# Altium PCB FanSystem-v2.0.PcbDoc (part 1 of 2)
Units mil, origin at the board's own origin, x right, y up, seen from the top; angles counter-clockwise.
Board outline 2755.91 x 2755.91 mil, 2 copper layers (Top Layer, Bottom Layer); 91 components, 71 nets, 311 pads, 124 vias.
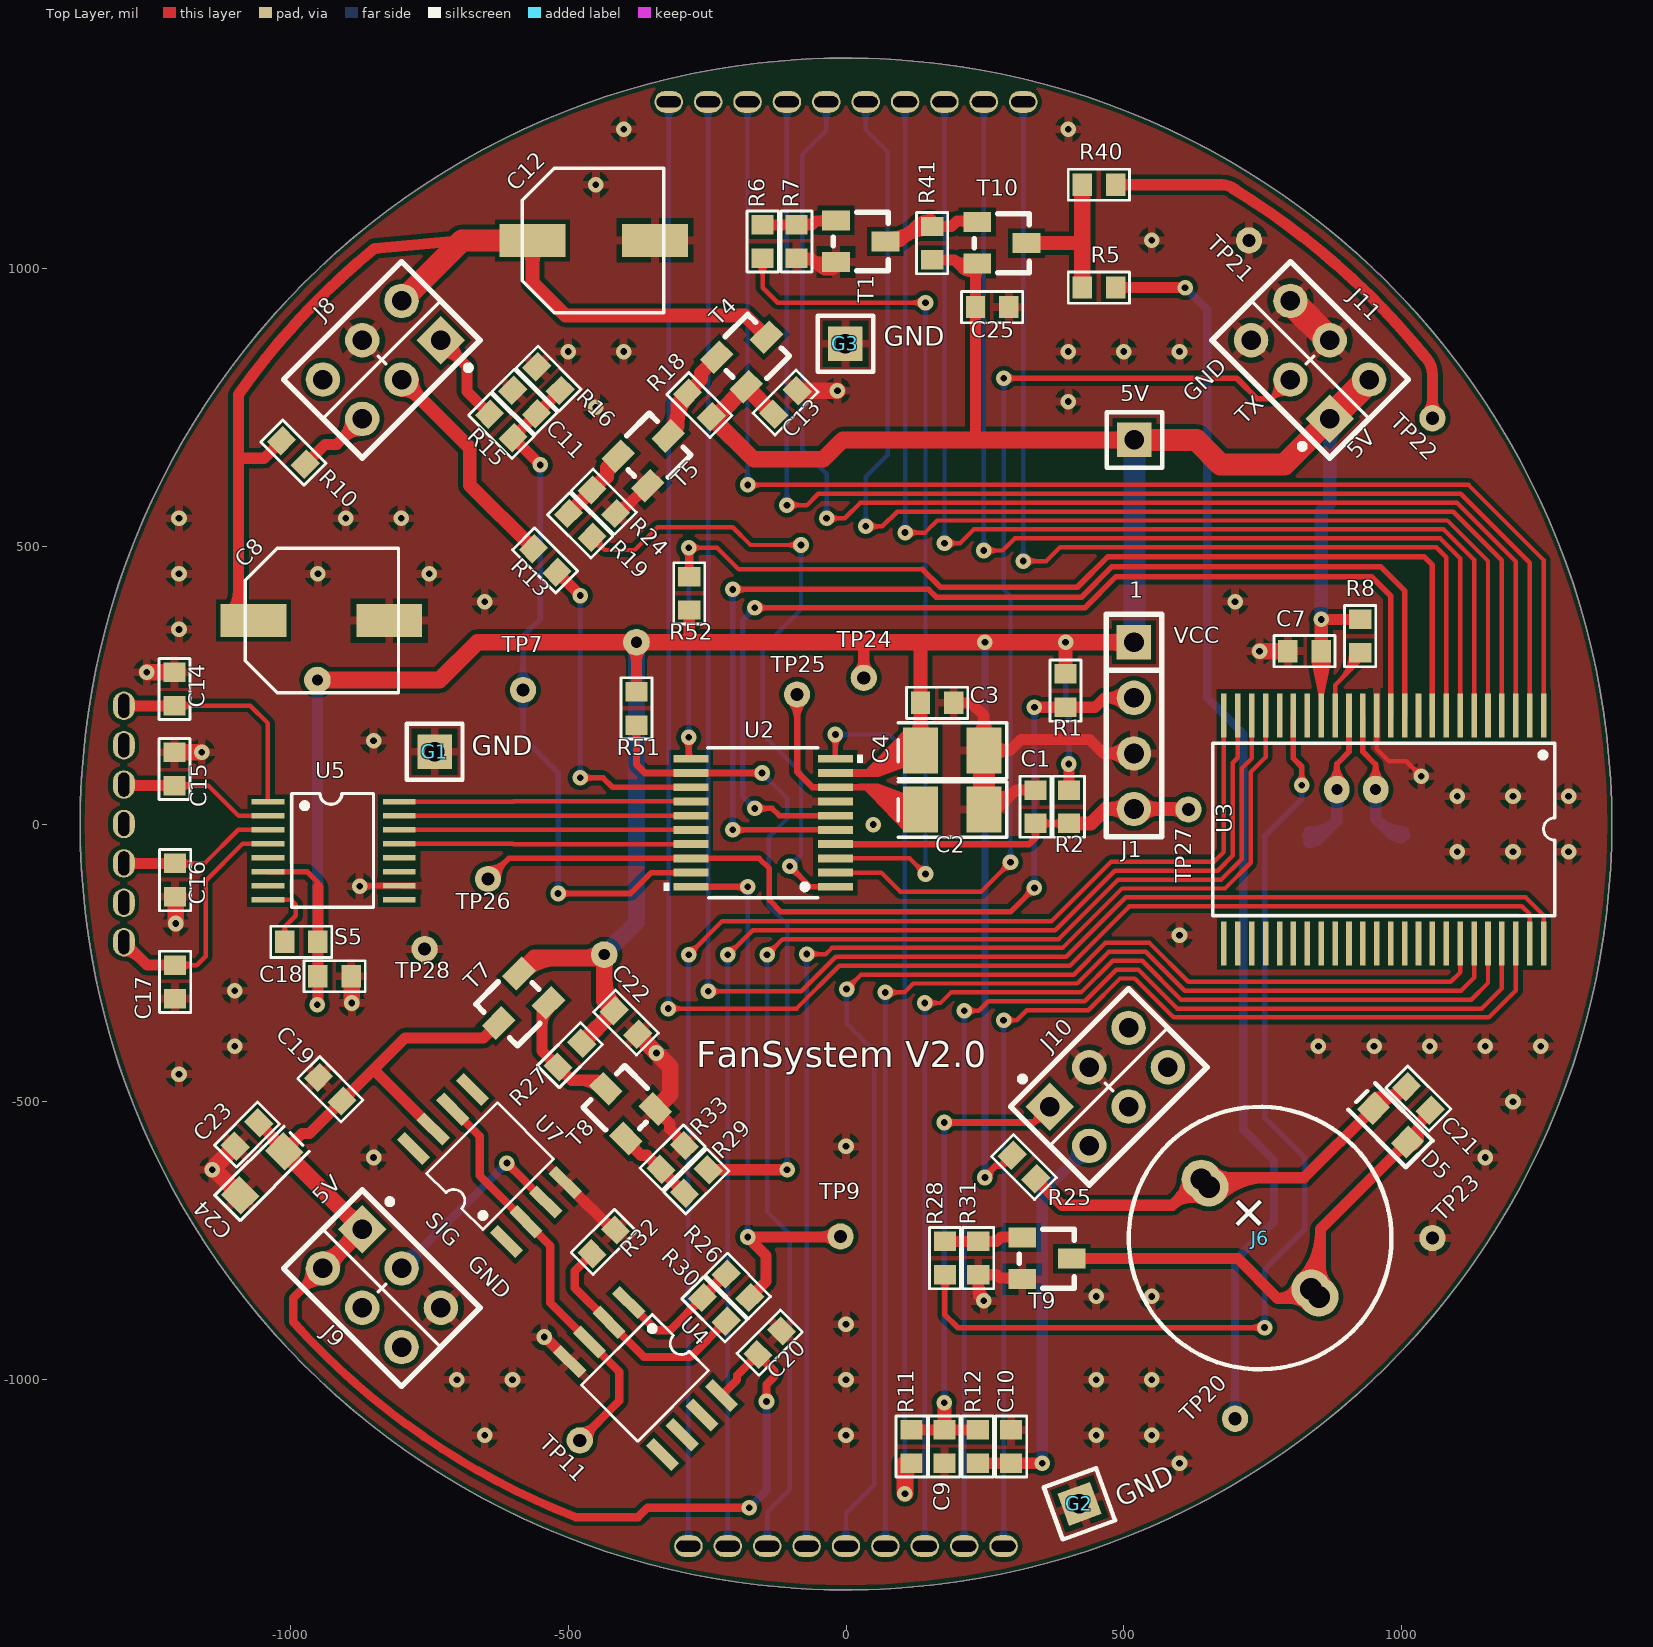
[diagram p0: Top Layer view]
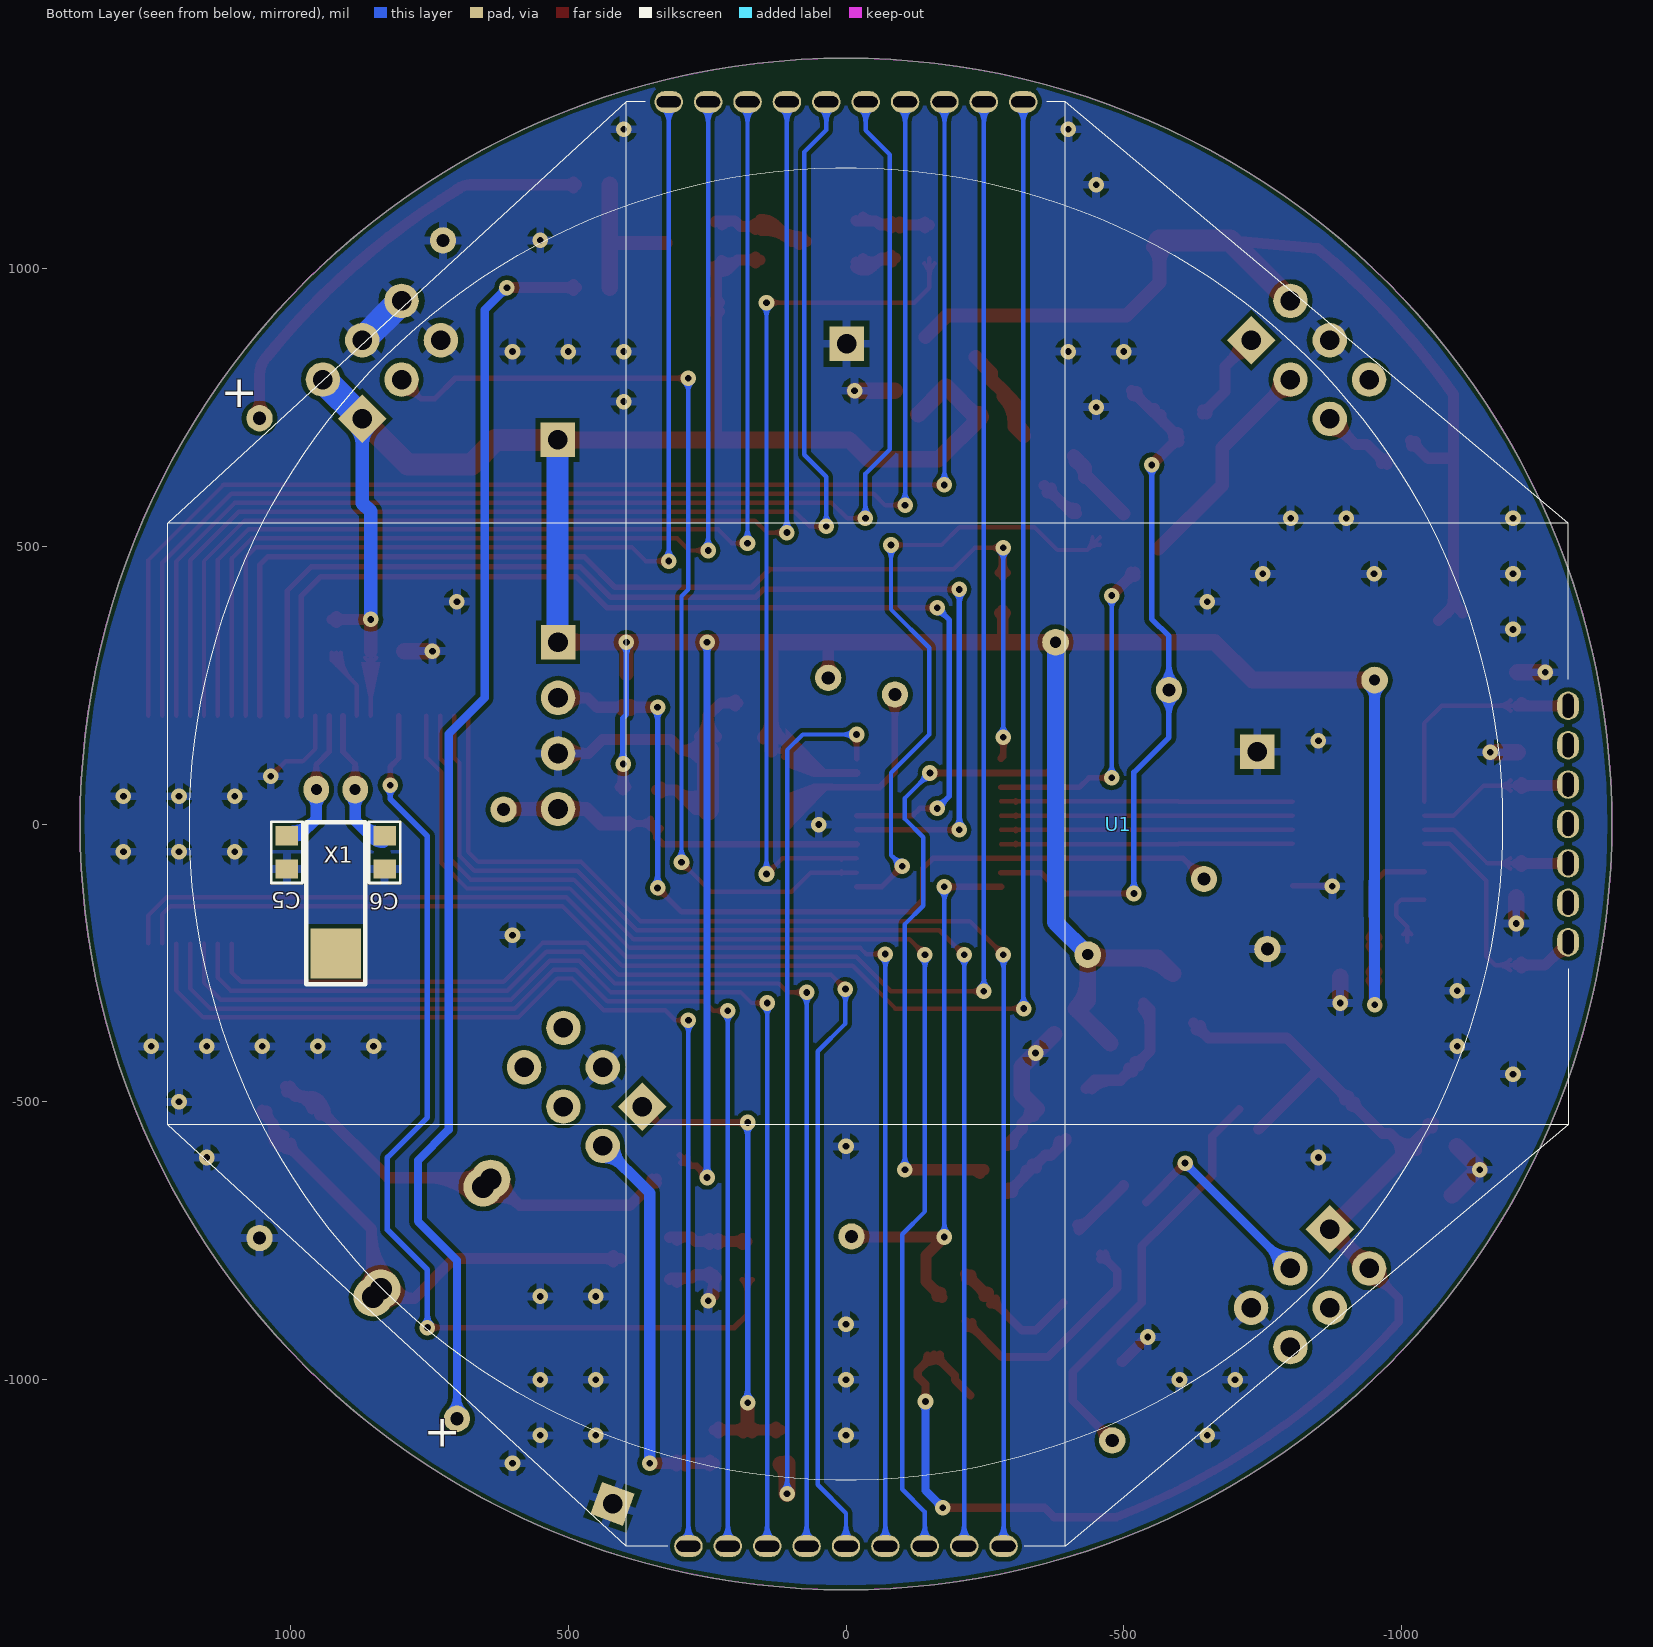
[diagram p1: Bottom Layer view, seen from below]

## Layer stack, top to bottom
Top Layer: signal copper 1.4
Dielectric: dielectric 12.6, FR-4, Dk 4.8
Bottom Layer: signal copper 1.4

## Board outline
-1377.95,0 ccw(c0,0) 0,-1377.95 ccw(c0,0) 1377.95,0 ccw(c0,0) 0,1377.95 ccw(c0,0)

## Design rules (kind name [scope] priority, off if disabled: settings)
Clearance [All] p1: gap=8
ComponentClearance [All] p1: gap=-1 collisioncheckmode=3 verticalgap=-1 showdistances=FALSE
PlaneConnect [All] p1: planeconnectstyle=Relief reliefexpansion=20 reliefentries=4 reliefconductorwidth=15 reliefairgap=10
PolygonConnect [All] p1: connectstyle=Relief reliefconductorwidth=15 reliefentries=4 polygonreliefangle="90 Angle" airgapwidth=10
RoutingVias [All] p1: holewidth=28 width=50 viastyle="Through Hole" minholewidth=28 minwidth=50 maxholewidth=28 maxwidth=50
SolderMaskExpansion [All] p1: expansion=4
Width [All] p1: maxlimit=100 minlimit=6 preferedwidth=8 minimp=50.000000 maximp=50.000000 favimp=50.000000
26 further rules are at their usual default settings.

## Classes and differential pairs
component class peripheral_1: C8 C9 C10 C11 C12 C13 C14 C15 C16 C17 C18 C19 C20 C21 C22 C23 C24 C25 D5 J6 J8 J9 J10 J11 R5 R6 R7 R10 R11 R12 R13 R15 R16 R18 R19 R24 R25 R26 R27 R28 R29 R30 R31 R32 R33 R40 R41 S5 T1 T4 T5 T7 T8 T9 T10 TP7 TP9 TP11 TP20 TP21 TP22 TP23 U4 U5 U7
component class cpu: 5V C1 C2 C3 C4 C5 C6 C7 G1 G2 G3 J1 R1 R2 R8 R51 R52 TP24 TP25 TP26 TP27 TP28 U1 U2 U3 X1

## Components (designator, comment, footprint, x,y, rotation, side; value= is the part's Value field where it differs from the comment)
5V "TP" CON1 519,691 r0 top
C1 "10nF" 0603 341,1 r90 top
C2 "2.2uF" 1206+ 134,26 r0 top
C3 "0.1uF" 0603 134,218 r0 top
C4 "2.2uF" 1206+ 134,132 r0 top
C5 "5pF" 0603 1006,-21 r270 bottom
C6 "5pF" 0603 830,-21 r270 bottom
C7 "0.1uF" 0603 855,311 r180 top
C8 "220uF" C+_6.3-7 -873,366 r90 top
C9 "1uF" 0603 177,-1090 r270 top
C10 "1uF" 0603 297,-1150 r90 top
C11 "1uF" 0603 -557,738 r135 top
C12 "10UF" C+_6.3-5.5 -375,1050 r90 top
C13 "1uF" 0603 -130,737 r45 top
C14 "30pF" 0603 -1208,213 r90 top
C15 "30pF" 0603 -1208,69 r90 top
C16 "30pF" 0603 -1207,-71 r270 top
C17 "30pF" 0603 -1207,-254 r270 top
C18 "104" 0603 -950,-274 r0 top
C19 "104" 0603 -949,-456 r315 top
C20 "104" 0603 -116,-912 r225 top
C21 "104" 0603 1051,-515 r135 top
C22 "1uF" 0603 -417,-336 r315 top
C23 "104" 0603 -1099,-580 r45 top
C24 "C +" C+ -1011,-589 r225 top
C25 "1uF" 0603 233,930 r0 top
D5 "D" D0805 1010.02,-572.3 r135 top
G1 "TP" CON1 -740,130 r90 top
G2 "TP" CON1 420,-1223 r20 top locked
G3 "TP" CON1 -1,864 r0 top
J1 "CON4" CON4_L 518,327 r270 top
J6 "BEEPER" BEEP-D12 745,-745 r315 top locked
J8 "CON3*2" CON3*2 -835,835 r225 top locked
J9 "CON3*2" CON3*2 -835,-835 r315 top locked
J10 "CON3*2" CON3*2 473,-473 r45 top locked
J11 "CON3*2" CON3*2 835,835 r135 top locked
R1 "10k" 0603 395,270 r270 top
R2 "10K" 0603 401,61 r270 top
R5 "200" 0603 425,965 r0 top
R6 "4.7K" 0603 -150,1078 r270 top
R7 "10K" 0603 -89,1078 r270 top
R8 "10K" 0603 925,308 r90 top
R10 "150" 0603 -973,647 r135 top
R11 "100R" 0603 118,-1090 r270 top
R12 "100R" 0603 237,-1150 r90 top
R13 "100" 0603 -520,453 r135 top
R15 "100K" 0603 -599,695 r135 top
R16 "100K" 0603 -514,780 r135 top
R18 "10K" 0603 -285,775 r315 top
R19 "4.7K" 0603 -457,516 r135 top
R24 "10K" 0603 -457,601 r315 top
R25 "0K" 0603 299,-596 r315 top
R26 "100R" 0603 -173,-852 r135 top
R27 "10K" 0603 -518,-437 r45 top
R28 "4.7K" 0603 178,-751 r270 top
R29 "4.7K" 0603 -248,-622 r225 top
R30 "470K" 0603 -258,-852 r315 top
R31 "10K" 0603 238,-751 r270 top
R32 "47K" 0603 -457,-773 r45 top
R33 "10K" 0603 -333,-621 r45 top
R40 "200" 0603 425,1150 r0 top
R41 "10K" 0603 155,1075 r270 top
R51 "10k" 0603 -377,238 r270 top
R52 "10k" 0603 -282,385 r90 top
S5 "S" 0603 -1010,-212 r0 top
T1 "9013" 9013 71,1048 r270 top
T4 "AO3401" AO3401 -143,876 r315 top
T5 "9013" 9013 -320,698 r315 top
T7 "AO3401" AO3401 -625,-358 r135 top
T8 "9013" 9013 -432,-476 r45 top
T9 "9013" 9013 406,-782 r270 top
T10 "AO3401" AO3401 325,1045 r270 top
TP7 "TP" tp -581,241 r0 top
TP9 "TP" tp -10,-742 r180 top
TP11 "TP" tp -479,-1109 r135 top
TP20 "TP" tp 700,-1070 r90 top
TP21 "TP" tp 725,1050 r90 top
TP22 "TP" tp 1055,730 r90 top
TP23 "TP" tp 1055,-745 r90 top
TP24 "TP" tp 32,263 r90 top
TP25 "TP" tp -88,233 r90 top
TP26 "TP" tp -644,-99 r90 top
TP27 "TP" tp 616,26 r90 top
TP28 "TP" tp -758,-225 r90 top
U1 "LCD" LCD-DIP-26 0,0 r180 bottom locked
U2 "STM8S003F3" STM8S003F3 -19,-113 r180 top locked
U3 "HT1621B" HT1621B 1255,195 r180 top locked
U4 "LM358" LM358 -391,-861 r225 top locked
U5 "TTP224" TTP224 -1040,40 r270 top locked
U7 "CA3140" LF353 -611,-751 r45 top
X1 "32.728" XTAL-32768 918,-188 r270 bottom

## Footprints (in the part's own frame and the unit in brackets; to place one, negate y for a bottom-side part, rotate by r counter-clockwise, add the part's x,y. Pads: shape width x height; smd on the part's side, far side on the other; paste and mask are expansions set on the pad)
0603 [mil]
  rect 35x40 smd: 1(60,0) 2(0,0)
  silkscreen extent -25,-28 85,28
1206+ [mm]
  rect 1.6x2.1 smd: A(0,0) K(2.9,0)
  silkscreen extent -1.02,-1.27 3.94,1.27
9013 [mil]
  rect 36x50 smd: 1(-38,-89) 2(37,-89) 3(0,0)
  silkscreen extent -53,-94 53,5
AO3401 [mil]
  rect 36x50 smd: D(0,0) G(-38,-89) S(37,-89)
  silkscreen extent -53,-94 53,5
BEEP-D12 [mm]
  round 1.8 hole 1: 1(-3.8,0) 1(-3.3,0) 2(3.3,0) 2(3.8,0)
  silkscreen extent -6,-6 6,6
C+ [mm]
  rect 1.2x1.3 smd: A(0,0) K(2.845,0)
  silkscreen extent -0.81,-0.81 3.66,0.81
C+_6.3-5.5 [mm]
  rect 1.5x3 smd: A(0,4.8) K(0,-0.8)
  silkscreen extent -3.3,-1.2 3.3,5.27
C+_6.3-7 [mm]
  rect 1.5x3 smd: A(0,4.9) K(0,-1.3)
  silkscreen extent -3.3,-1.73 3.3,5.27
CON1 [mil]
  rect 62x62 hole 35: 1(0,0)
  silkscreen extent -50,-50 50,50
CON3*2 [mil]
  rect 62x62 hole 35: 1(-100,50)
  round 62 hole 35: 2(-100,-50) 3(0,50) 4(0,-50) 5(100,50) 6(100,-50)
  silkscreen extent -150,-100 150,125
CON4_L [mil]
  rect 62x62 hole 35.43: 1(0,0)
  round 62 hole 35.43: 2(100,0) 3(200,0) 4(300,0)
  silkscreen extent -50,-50 350,50
D0805 [mil]
  rect 40x45 smd: A(0,0) K(86,0)
  silkscreen extent -30,-34 116,34
HT1621B [mil]
  rect 10x78.74 smd: 1(0,0) 2(25,0) 3(50,0) 4(75,0) 5(100,0) 6(125,0) 7(150,0) 8(175,0) 9(200,0) 10(225,0) 11(250,0) 12(275,0) 13(300,0) 14(325,0) 15(350,0) 16(375,0) 17(400,0) 18(425,0) 19(450,0) 20(475,0) 21(500,0) 22(525,0) 23(550,0) 24(575,0) 25(575,410) 26(550,410) 27(525,410) 28(500,410) 29(475,410) 30(450,410) 31(425,410) 32(400,410) 33(375,410) 34(350,410) 35(325,410) 36(300,410) 37(275,410) 38(250,410) 39(225,410) 40(200,410) 41(175,410) 42(150,410) 43(125,410) 44(100,410) 45(75,410) 46(50,410) 47(25,410) 48(0,410)
  silkscreen extent -20,50 595,360
LCD-DIP-26 [mm]
  oval 1.3x1 hole 0.5 slot 1.1 at 0 deg: 1(-8.1,33) 2(-6.3,33) 3(-4.5,33) 4(-2.7,33) 5(-0.9,33) 6(0.9,33) 7(2.7,33) 8(4.5,33) 9(6.3,33) 10(8.1,33) 11(-7.2,-33) 12(-5.4,-33) 13(-3.6,-33) 14(-1.8,-33) 15(0,-33) 16(1.8,-33) 17(3.6,-33) 18(5.4,-33) 19(7.2,-33)
  oval 1x1.3 hole 0.5 slot 1.1 at 90 deg: 20(33,-5.4) 21(33,-3.6) 22(33,-1.8) 23(33,0) 24(33,1.8) 25(33,3.6) 26(33,5.4)
  silkscreen extent -31,-33 33.02,33
LF353 [mil]
  rect 20x65 smd: 1(0,0) 2(50,0) 3(100,0) 4(150,0) 5(150,236.22) 6(100,236.22) 7(50,236.22) 8(0,236.22)
  silkscreen extent -15,45 165,188
LM358 [mil]
  rect 20x65 smd: 1(0,0) 2(50,0) 3(100,0) 4(150,0) 5(150,236.22) 6(100,236.22) 7(50,236.22) 8(0,236.22)
  silkscreen extent -15,45 165,188
STM8S003F3 [mm]
  rect 1.6x0.356 smd: 1(0,0) 2(0,-0.65) 3(0,-1.3) 4(0,-1.95) 5(0,-2.6) 6(0,-3.25) 7(0,-3.9) 8(0,-4.55) 9(0,-5.2) 10(0,-5.85) 11(6.6,-5.85) 12(6.6,-5.2) 13(6.6,-4.55) 14(6.6,-3.9) 15(6.6,-3.25) 16(6.6,-2.6) 17(6.6,-1.95) 18(6.6,-1.3) 19(6.6,-0.65) 20(6.6,0)
  silkscreen extent -1.24,-6.35 7.85,0.5
tp [mm]
  round 1.2 hole 0.6: 1(0,0)
TTP224 [mm]
  rect 0.25x1.5 smd: 1(0,0) 2(0.64,0) 3(1.28,0) 4(1.92,0) 5(2.56,0) 6(3.2,0) 7(3.84,0) 8(4.48,0) 9(4.48,6) 10(3.84,6) 11(3.2,6) 12(2.56,6) 13(1.92,6) 14(1.28,6) 15(0.64,6) 16(0,6)
  silkscreen extent -0.38,1.09 4.83,4.83
XTAL-32768 [mil]
  oval 50x46 hole 19.68: 1(-250,-35) 2(-250,35)
  rect 90x90 smd: ""(45,0)
  silkscreen extent -191,-53 100,53

## Part data
C1 C3 C5 C6 C7 C13 C14 C15 C16 C17 C18 C22 C25: library part C, "0603"
C2 C4 C8 C12: library part "C +"
C9 C10 C11 C19 C20 C23: library part C', "0805"
C21: library part C', "0603"
R1 R2 R5 R7 R8 R40 R51 R52: library part R, "0603"
R6 R25 R26 R28 R30 R31 R32: library part R', "0603"
R10 R11 R12 R13 R15 R16 R18 R19 R24 R27 R29 R33 R41: library part R', "0805"
U1: library part LCD-3
U4: "Amps"
X1: library part XTAL

## Free pads (board coordinates)
  round 48 hole 20: 1(-951,259) 1(-435,-235) 1(-377,327)

## Via types
v1: diameter 28, hole 12, Top Layer to Bottom Layer, 124 vias

## Nets (pads, with @x,y where several pads share a name; then routed paths per layer and width w, separated by ;. In a path a pad name is that pad's centre, name@x,y a point inside that pad or via, vN(x,y) a via of type N, cw(c..) or ccw(c..) an arc to the next point about the centre after c; other vN are vias at no path point)
5V: 5V.1 C3.2 C4.A C7.2 C13.2 C18.2 C22.2 C25.2 J1.1 J11.1 J11.2 pad.1 R1.2 R2.2 R8.1 R18.1 R25.2 R27.1 R41.1 R51.2 R52.2 S5.1 T4.S T7.S T10.S TP24.1 U2.9 U3.17 U5.6 | length 9501
  Top Layer w8: C7.2@845.45,298.95 cw(c822.41,275.91) 855,275.91 cw(c887.59,275.91) C7.2@864.55,298.95 ; U3.17@855,195 C7.2@855,311
  Top Layer w10: U5.6@-1040,-85.98 -969,-85.98 -950,-104.98 -950,-113
  Top Layer w12: C4.A@111.13,120.72 ccw(c93,111.78) 93,132 ; C4.A@111.13,143.28 cw(c93,152.22) 93,132 ; C4.A@119,132 93,132 ; v1(250,-636) 250,-634 269,-615 280,-615 ; v1@250,-628 ccw(c250,-613.51) 260.24,-623.76 ; v1@258,-636 cw(c282.14,-636) 265.07,-618.93 ; R25.2@285.79,-598.88 cw(c265.81,-600.81) 280,-615 ; R25.2@296.12,-609.21 ccw(c294.19,-629.19) 280,-615 ; R25.2@299,-596 280,-615
  Top Layer w15: U2.9@-19,91.72 57,91.72
  Top Layer w20: C18.2@-955.3,-281.8 cw(c-968.11,-294.61) -950,-294.61 cw(c-931.89,-294.61) C18.2@-944.7,-281.8 ; C18.2@-955.3,-266.2 ccw(c-968.11,-253.39) -950,-253.39 ccw(c-931.89,-253.39) C18.2@-944.7,-266.2 ; S5.1@-955.3,-219.8 cw(c-968.11,-232.61) -950,-232.61 cw(c-931.89,-232.61) S5.1@-944.7,-219.8 ; S5.1@-955.3,-204.2 ccw(c-968.11,-191.39) -950,-191.39 ccw(c-931.89,-191.39) S5.1@-944.7,-204.2 ; v1(-951,-325) -950,-324 C18.2@-950,-274 -950,-113 ; pad.1@-386.9,317.1 cw(c-410.8,293.2) -377,293.2 cw(c-343.2,293.2) pad.1@-367.1,317.1 ; R51.2@-382.3,243.3 ccw(c-395.11,256.11) -377,256.11 ccw(c-358.89,256.11) R51.2@-371.7,243.3 ; R51.2@-377,238 pad.1@-377,327 ; R52.2@-287.3,379.7 cw(c-300.11,366.89) -282,366.89 cw(c-263.89,366.89) R52.2@-276.7,379.7 ; -282,328 R52.2@-282,385 ; TP24.1@22.37,272.63 ccw(c-0.89,295.89) 32,295.89 ccw(c64.89,295.89) TP24.1@41.63,272.63 ; TP24.1@32,263 32,325 ; R41.1@155,1015 195,1015 ; R41.1@162.8,1009.7 cw(c175.61,996.89) 175.61,1015 cw(c175.61,1033.11) R41.1@162.8,1020.3 ; 210.13,999.87 ccw(c224,1013.73) T10.S@236.89,998.96 ; T10.S@222.94,1013.22 cw(c205,1028.68) 205,1005 ; T10.S@223.74,1014.03 cw(c209.89,1029.89) 195,1015 ; C25.2@227.7,922.2 cw(c214.89,909.39) 233,909.39 cw(c251.11,909.39) C25.2@238.3,922.2 ; C25.2@227.7,937.8 ccw(c214.89,950.61) 233,950.61 ccw(c251.11,950.61) C25.2@238.3,937.8 ; 233,691 C25.2@233,930 233,1005 205,1005 ; 233,981.44 cw(c262.56,981.44) T10.S@241.66,1002.34 ; R2.2@395.7,66.3 ccw(c382.89,79.11) 401,79.11 ccw(c419.11,79.11) R2.2@406.3,66.3 ; R2.2@401,61 v1(401,108) ; v1(855,368) R8.1@925,368 ; R8.1@917.2,362.7 ccw(c904.39,349.89) 904.39,368 ccw(c904.39,386.11) R8.1@917.2,373.3 ; 195,1015 205,1005
  Top Layer w25: C4.A@120.57,155.27 ccw(c88.14,187.7) 134,187.7 ccw(c179.86,187.7) C4.A@147.43,155.27 ; C4.A@134,132 C3.2@134,218 134,326 ; R1.2@395,270 v1@395,320 ; C7.2@855,311 v1(855,368)
  Top Layer w30: pad.1@-951,259 -731,259 -663,327 pad.1@-377,327 -282,327 ; T7.S@-588.23,-268.9 -560.33,-241 -441,-241 pad.1@-435,-235 -435,-318 C22.2@-417,-336 R27.1@-475.57,-394.57 ; T7.S@-581.16,-266.08 cw(c-520.62,-326.62) -520.62,-241 ; -471.21,-241 ccw(c-471.21,-198.79) pad.1@-441.36,-228.64 ; -435,-280.47 ccw(c-361.47,-280.47) C22.2@-413.46,-332.46 ; -282,328 -282,327 ; R18.1@-240.81,736.84 ccw(c-240.81,763.33) -222.07,744.6 ; C13.2@-130,737 -179.77,786.77 T4.S@-179.77,786.9 -234.1,732.57 R18.1@-242.57,732.57 -166,656 -41,656 -6,691 233,691 5V.1@519,691 ; 30,327 -282,327 ; 32,327 v1(250,327) v1(395,327) J1.1@518,327 ; J1.1@506.69,315.69 ccw(c479.37,288.37) 479.37,327 ccw(c479.37,365.63) J1.1@506.69,338.31 ; 5V.1@507.69,679.69 ccw(c480.37,652.37) 480.37,691 ccw(c480.37,729.63) 5V.1@507.69,702.31
  Top Layer w40: 5V.1@519,691 630,691 ; 631,690 674,647 788.42,647 J11.1@870.36,728.93
  Top Layer w50: J11.1@870.36,728.93 J11.2@941.07,799.64
  Bottom Layer w10: v1@388.64,320.64 cw(c373.27,305.27) 395,305.27 cw(c416.73,305.27) v1@401.36,320.64 ; v1@394.64,114.36 ccw(c376.86,132.14) 402,132.14 ; v1(395,327) 395,197 402,190 402,109 v1(401,108) ; 402,127.31 ccw(c420.31,127.31) v1@407.36,114.36
  Bottom Layer w12: v1@244.34,-630.34 ccw(c230.69,-616.69) 250,-616.69 ccw(c269.31,-616.69) v1@255.66,-630.34 ; v1@244.34,321.34 cw(c230.69,307.69) 250,307.69 cw(c269.31,307.69) v1@255.66,321.34 ; v1(250,-636) v1(250,327)
  Bottom Layer w20: pad.1@-960.9,249.1 cw(c-984.8,225.2) -951,225.2 cw(c-917.2,225.2) pad.1@-941.1,249.1 ; v1(-951,-325) pad.1@-951,259 ; -950,-165 -950,-104
  Bottom Layer w25: v1(855,368) 855,562 870.36,577.36 J11.1@870.36,728.93 ; J11.1@857.27,715.85 cw(c825.69,684.27) 870.36,684.27 cw(c915.02,684.27) J11.1@883.44,715.85
  Bottom Layer w30: pad.1@-435,-235 -377,-177 pad.1@-377,327
  Bottom Layer w40: J1.1@519,328 5V.1@519,691
  Bottom Layer w50: J11.1@870.36,728.93 J11.2@941.07,799.64
BEEPER: R28.1 U3.19 | length 2035.1
  Top Layer w10: R28.1@169.16,-819.84 cw(c147.82,-841.18) 178,-841.18 cw(c208.18,-841.18) R28.1@186.84,-819.84 ; R28.1@178,-811 178,-883 201,-906 v1(753,-906) ; v1@746.64,-912.36 ccw(c731.27,-927.73) 731.27,-906 ccw(c731.27,-884.27) v1@746.64,-899.64 ; U3.19@805,195 805,118 820,103 v1(820,70) ; v1@813.64,76.36 ccw(c798.27,91.73) 820,91.73 ccw(c841.73,91.73) v1@826.36,76.36
  Bottom Layer w10: v1@746.64,-899.64 ccw(c731.27,-884.27) 753,-884.27 ccw(c774.73,-884.27) v1@759.36,-899.64 ; v1(753,-906) 753,-802 825,-730 825,-600 753,-528 753,-22 820,45 v1(820,70) ; v1@813.64,63.64 cw(c798.27,48.27) 820,48.27 cw(c841.73,48.27) v1@826.36,63.64
GND: C1.1 C2.K C3.1 C4.K C5.1 C6.1 C7.1 C8.K C9.1 C10.1 C11.1 C12.K C13.1 C14.1 C15.1 C16.1 C17.1 C18.1 C19.2 C20.2 C22.1 C23.2 C24.K C25.1 G1.1 G2.1 G3.1 J1.3 J8.4 J9.5 J10.3 J11.4 J11.5 J11.6 R7.1 R16.1 R24.1 R31.1 R32.1 R33.1 T1.2 T5.2 T8.2 T9.2 TP21.1 TP23.1 TP28.1 U2.7 U3.13 U4.4 U5.10 U7.4 | length 3075.4
  Top Layer w8: U3.13@955,195 955,135 977,113 1008,113 v1(1035,86) ; v1@1025,86 ccw(c1000.86,86) 1017.93,103.07 ccw(c1035,120.14) v1@1035,96
  Top Layer w10: v1(-875,-112) -874.18,-111.18 U5.10@-803.78,-111.18 ; v1@-868.64,-118.36 cw(c-851.3,-135.7) -851.3,-111.18 ; v1@-868.64,-105.64 ccw(c-855.25,-92.25) -855.25,-111.18
  Top Layer w20: v1@-541.13,-923 U4.4@-497.07,-967.07 ; U7.4@-498.93,-650.93 R32.1@-419.29,-730.57 ; -437.2,-712.66 ccw(c-416.34,-691.8) R32.1@-416.34,-721.31 ; R24.1@-414.57,558.57 -407.1,558.57 T5.2@-356.77,608.9 ; R24.1@-412.81,567.84 ccw(c-412.81,603.99) -387.25,578.43 ; T5.2@-369.72,603.95 cw(c-389.03,603.95) -375.38,590.3 cw(c-361.72,576.64) T5.2@-361.72,595.95 ; T8.2@-342.9,-512.77 -317,-538.67 -317,-549 -290.57,-575.43 R33.1@-290.57,-578.57 ; T8.2@-337.95,-525.72 cw(c-337.95,-545.03) -324.3,-531.38 cw(c-310.64,-517.72) T8.2@-329.95,-517.72 ; -307.37,-558.63 cw(c-325.55,-576.81) R33.1@-299.84,-576.81 ; R7.1@-89,1018 -63,1018 ; R7.1@-82.61,1011.58 cw(c-70.09,990.91) -53,1008 ; R7.1@-81.2,1012.7 cw(c-68.39,999.89) -68.39,1018 cw(c-68.39,1036.11) R7.1@-81.2,1023.3 ; -51.56,1008 ccw(c-51.56,1037.56) T1.2@-30.66,1016.66 ; -47.96,1002.96 ccw(c-32,1018.92) T1.2@-17.05,1002.01 ; T1.2@-30.3,1016.99 cw(c-46.11,1034.88) -63,1018 ; T1.2@-18,1011 -21,1008 -53,1008 ; C3.1@194,218 225,218 248.17,194.83 C4.K@248.17,132 295,132 ; C3.1@199.3,212.7 cw(c212.11,199.89) 212.11,218 cw(c212.11,236.11) C3.1@199.3,223.3 ; R31.1@232.7,-816.3 cw(c219.89,-829.11) 238,-829.11 cw(c256.11,-829.11) R31.1@243.3,-816.3 ; C4.K@232.97,157.04 ccw(c196.28,193.74) 248.17,193.74 ccw(c300.07,193.74) C4.K@263.37,157.04 ; R31.1@238,-824.2 ccw(c281.8,-824.2) v1@250.83,-855.17 ; R31.1@245.8,-816.3 cw(c258.61,-829.11) 258.61,-811 cw(c258.61,-792.89) R31.1@245.8,-805.7 ; v1(248,-858) 238,-848 R31.1@238,-811 271,-811 277,-817 315,-817 T9.2@317,-819 ; C2.K@248.17,26 271,26 306,61 ; C2.K@248.91,37.15 ccw(c264.7,65.08) 287.39,42.39 ; C2.K@258.75,54.56 ccw(c278.14,88.86) 306,61 ; C4.K@264.47,117.99 cw(c295,91.75) 295,132 ; C4.K@264.47,146.01 ccw(c295,172.25) 295,132 ; 285.86,-817 cw(c285.86,-843.14) T9.2@304.34,-824.66 ; C1.1@333.2,55.7 ccw(c320.39,42.89) 320.39,61 ccw(c320.39,79.11) C1.1@333.2,66.3 ; C1.1@341,61 306,61 ; J1.3@503.15,112.15 ccw(c467.3,76.3) 467.3,127 ccw(c467.3,177.7) J1.3@503.15,141.85 ; J1.3@518,127 463,127 438,152 315,152 295,132 ; -63,1018 -53,1008
  Top Layer w30: v1(-1258,273) C14.1@-1208,273 ; C15.1@-1208,129 v1(-1159,129) ; v1(-1206,-179) C16.1@-1206,-132 ; C23.2@-1099,-580 -1140,-621 v1(-1140,-622) -1136.39,-622 C24.K@-1090.2,-668.2 ; v1(-889,-322) C18.1@-889,-275 ; C22.1@-374.57,-378.43 v1(-341,-412) -316,-437 -316,-485.87 T8.2@-342.9,-512.77 ; C13.1@-87.57,779.43 v1(-15.43,779.43) ; v1(744,311) C7.1@795,311
  Top Layer w40: C2.K@248.17,26 C4.K@248.17,132
  Top Layer w50: J11.6@799.64,941.07 J11.4@870.36,870.36
  Bottom Layer w50: J11.6@799.64,941.07 J11.4@870.36,870.36
  other v1: 600,-1150 -650,-1100 0,-1100 450,-1100 550,-1100 -700,-1000 -600,-1000 0,-1000 450,-1000 550,-1000 -543,-923 0,-900 450,-850 550,-850 -850,-600 1150,-600 0,-580 1200,-500 -1200,-450 -1100,-400 850,-400 950,-400 1050,-400 1150,-400 1250,-400 -1100,-300 600,-200 1100,-50 1200,-50 1300,-50 49,-1 1100,50 1200,50 1300,50 -850,150 -1200,350 -650,400 700,400 -1200,450 -950,450 -750,450 -1200,550 -900,550 -800,550 -450,750 400,760 -500,850 -400,850 400,850 500,850 600,850 550,1050 -450,1150 -400,1250 400,1250
GP2Y1014-ADC: C11.2 R15.2 R16.2 TP7.1 U2.19 | length 1615.4
  Top Layer w10: v1(-518,-125) -388,-125 -350.41,-87.41 U2.19@-278.84,-87.41 ; v1@-511.64,-131.36 cw(c-496.27,-146.73) -496.27,-125 cw(c-496.27,-103.27) v1@-511.64,-118.64
  Top Layer w20: R15.2@-599,687.5 cw(c-599,669.39) -586.2,682.2 cw(c-573.39,695) R15.2@-591.5,695 ; R15.2@-597.23,704.27 ccw(c-597.23,722.37) -584.43,709.57 ccw(c-571.63,696.77) R15.2@-589.73,696.77 ; -572.28,721.72 ccw(c-586.79,736.23) C11.2@-566.27,736.23 ; C11.2@-555.23,747.27 ccw(c-555.23,767.79) -540.72,753.28 ; v1(-550,646) R15.2@-599,695 R16.2@-514,780 ; R16.2@-523.27,778.23 cw(c-541.37,778.23) -528.57,765.43 cw(c-515.77,752.63) R16.2@-515.77,770.73
  Bottom Layer w10: TP7.1@-594.17,227.83 cw(c-625.96,196.04) -581,196.04 cw(c-536.04,196.04) TP7.1@-567.83,227.83 ; TP7.1@-594.17,254.17 ccw(c-625.96,285.96) -581,285.96 ccw(c-536.04,285.96) TP7.1@-567.83,254.17 ; v1@-556.36,639.64 cw(c-571.73,624.27) -550,624.27 cw(c-528.27,624.27) v1@-543.64,639.64 ; v1(-550,646) -550,369 -581,338 TP7.1@-581,241 -581,156 -518,93 v1(-518,-125) ; v1@-524.36,-118.64 ccw(c-539.73,-103.27) -518,-103.27 ccw(c-496.27,-103.27) v1@-511.64,-118.64
GP2Y1014-LED: R13.2 U2.13 | length 732
  Top Layer w10: v1(-478,83) -437,83 -420.13,66.13 U2.13@-278.84,66.13 ; v1@-471.64,76.64 cw(c-456.27,61.27) -456.27,83 cw(c-456.27,104.73) v1@-471.64,89.36
  Top Layer w20: R13.2@-520,445.5 cw(c-520,427.39) -507.2,440.2 cw(c-494.39,453) R13.2@-512.5,453 ; R13.2@-520,453 v1(-478,411)
  Bottom Layer w8: v1@-485.07,90.07 ccw(c-502.14,107.14) -478,107.14 ccw(c-453.86,107.14) v1@-470.93,90.07 ; v1@-485.07,403.93 cw(c-502.14,386.86) -478,386.86 cw(c-453.86,386.86) v1@-470.93,403.93 ; v1(-478,83) v1(-478,411)
GP2Y1014_5V: C8.A C12.A J8.2 R10.1 T4.D | length 2022.1
  Top Layer w20: C8.A@-1109.25,379.81 ccw(c-1148.48,419.04) -1093,419.04 ; -1093,407.25 ccw(c-1054.19,407.25) C8.A@-1081.63,379.81 ; -1087.39,780.63 ccw(c0,0) -1093.02,772.72 ; C8.A@-1065.91,366 -1093,393.09 -1093,640 -1093,658 ; R10.1@-1024.69,687.66 cw(c-1042.8,687.66) -1030,674.86 cw(c-1017.19,662.05) R10.1@-1017.19,680.16 ; R10.1@-1015.43,689.43 -1046.85,658 -1093,658 ; -690.71,1050 -848.3,1035.47 ccw(c0,0) -1093.02,772.72 ; -1093,658 -1093.02,772.72
  Top Layer w25: C12.A@-576.02,1037.96 cw(c-605.08,1008.89) -563.98,1008.89 cw(c-522.87,1008.89) C12.A@-551.94,1037.96 ; C12.A@-563.98,1050 -563.98,973.98 -505,915 -182,915 T4.D@-143,876
  Top Layer w40: J8.2@-799.64,941.07 -690.71,1050 C12.A@-563.98,1050
GP2Y1014_VDD_EN: R19.2 U2.1 | length 1355.5
  Top Layer w8: R19.2@-456.98,502.5 cw(c-456.93,470.07) -434,493 ; R19.2@-457,516 -434,493 ; R19.2@-443.5,515.98 ccw(c-411.07,515.93) -434,493 ; v1@-88.07,494.93 ccw(c-105.14,477.86) -105.14,502 ccw(c-105.14,526.14) v1@-88.07,509.07 ; v1(-81,502) -172,502 -204,534 -339,534 -380,493 -434,493
  Top Layer w10: v1@-101,-85 cw(c-101,-106.73) -85.64,-91.36 cw(c-70.27,-76) v1@-92,-76 ; v1(-101,-76) -64,-113 U2.1@-19,-113
  Bottom Layer w8: v1(-101,-76) -81,-56 -81,92 -150,161 -150,317 -81,386 v1(-81,502) ; v1@-101,-66 ccw(c-101,-41.86) -83.93,-58.93 ccw(c-66.86,-76) v1@-91,-76 ; v1@-88.07,494.93 cw(c-105.14,477.86) -81,477.86 cw(c-56.86,477.86) v1@-73.93,494.93
ICPCK: J1.2 R1.1 TP26.1 U2.18 | length 1910
  Top Layer w10: TP26.1@-644,-99 -606.82,-61.82 U2.18@-278.84,-61.82 -156.18,-61.82 -138,-80 -138,-137 -117,-158 296,-158 v1(339,-115) ; TP26.1@-644,-80.38 ccw(c-644,-35.42) -612.21,-67.21 ccw(c-580.42,-99) TP26.1@-625.38,-99 ; v1@330,-115 cw(c308.27,-115) 323.64,-130.36 cw(c339,-145.73) v1@339,-124
  Top Layer w20: v1(339,210) R1.1@395,210 448,210 465,227 J1.2@518,227 ; R1.1@387.2,204.7 ccw(c374.39,191.89) 374.39,210 ccw(c374.39,228.11) R1.1@387.2,215.3 ; R1.1@402.8,204.7 cw(c415.61,191.89) 415.61,210 cw(c415.61,228.11) R1.1@402.8,215.3 ; J1.2@503.15,212.15 ccw(c467.3,176.3) 467.3,227 ccw(c467.3,277.7) J1.2@503.15,241.85
  Bottom Layer w10: v1@332.64,-108.64 ccw(c317.27,-93.27) 339,-93.27 ccw(c360.73,-93.27) v1@345.36,-108.64 ; v1@332.64,203.64 cw(c317.27,188.27) 339,188.27 cw(c360.73,188.27) v1@345.36,203.64 ; v1(339,-115) v1(339,210)
ICPDA: C2.A TP25.1 U2.8 | length 357.2
  Top Layer w12: TP25.1@-100.46,220.54 cw(c-130.54,190.46) -88,190.46 cw(c-45.46,190.46) TP25.1@-75.54,220.54 ; TP25.1@-88,233 -88,94 -60.13,66.13 U2.8@-19,66.13 51.87,66.13
LCD-BACK-LIGHT: R6.1 U2.3 | length 1768.9
  Top Layer w8: R6.1@-159.55,1008.45 cw(c-182.59,985.41) -150,985.41 cw(c-117.41,985.41) R6.1@-140.45,1008.45 ; R6.1@-150,1018 -150,965 -123,938 v1(143,938) ; U2.3@-19,-61.82 -18.59,-61.41 114.41,-61.41 v1(143,-90) ; U2.3@7.62,-63.94 cw(c13.73,-70.05) 13.73,-61.41 ; v1@133,-90 ccw(c108.86,-90) 125.93,-72.93 ccw(c143,-55.86) v1@143,-80 ; v1@135.93,930.93 ccw(c118.86,913.86) 118.86,938 ccw(c118.86,962.14) v1@135.93,945.07
  Bottom Layer w8: v1@135.93,-82.93 ccw(c118.86,-65.86) 143,-65.86 ccw(c167.14,-65.86) v1@150.07,-82.93 ; v1@135.93,930.93 cw(c118.86,913.86) 143,913.86 cw(c167.14,913.86) v1@150.07,930.93 ; v1(143,-90) v1(143,938)
LCD_COM0: U1.16 U3.21 | length 2343.5
  Top Layer w8: v1(-70.87,-234) -36.25,-234 -25.25,-223 389.61,-223 496.61,-116 681.88,-116 728,-69.88 728,93.37 755,120.37 U3.21@755,195 ; v1@-63.8,-241.07 cw(c-46.72,-258.14) -46.72,-234 cw(c-46.72,-209.86) v1@-63.8,-226.93
  Bottom Layer w8: U1.16@-81.96,-1288.12 ccw(c-108.73,-1261.35) -70.87,-1261.35 ccw(c-33,-1261.35) U1.16@-59.78,-1288.12 ; v1@-77.94,-241.07 cw(c-95.01,-258.14) -70.87,-258.14 cw(c-46.72,-258.14) v1@-63.8,-241.07 ; U1.16@-70.87,-1299.21 v1(-70.87,-234)
LCD_COM1: U1.17 U3.22 | length 2424.2
  Top Layer w8: v1(-142,-235) -114,-207 382.98,-207 489.98,-100 675.25,-100 712,-63.25 712,100 730,118 U3.22@730,195 ; v1@-142,-225 ccw(c-142,-200.86) -124.93,-217.93 ccw(c-107.86,-235) v1@-132,-235
  Bottom Layer w8: U1.17@-152.82,-1288.12 ccw(c-179.6,-1261.35) -141.73,-1261.35 ccw(c-103.87,-1261.35) U1.17@-130.64,-1288.12 ; v1@-149.07,-242.07 cw(c-166.14,-259.14) -142,-259.14 cw(c-117.86,-259.14) v1@-134.93,-242.07 ; v1(-142,-235) -142,-697 -101,-738 -101,-1197 -141.73,-1237.73 U1.17@-141.73,-1299.21
LCD_COM2: U1.18 U3.23 | length 2438.8
  Top Layer w8: v1(-213,-235) -212,-235 -168,-191 376.35,-191 483.35,-84 668.63,-84 696,-56.63 696,110 705,119 U3.23@705,195 ; v1@-213,-225 ccw(c-213,-198.44) -194.22,-217.22 ; v1@-203,-235 cw(c-181.27,-235) -196.64,-219.64
  Bottom Layer w8: U1.18@-223.69,-1288.12 ccw(c-250.47,-1261.35) -212.6,-1261.35 ccw(c-174.73,-1261.35) U1.18@-201.51,-1288.12 ; v1@-220.07,-242.07 cw(c-238.11,-260.11) -212.6,-260.11 ; U1.18@-212.6,-1299.21 v1@-212.6,-234 ; -212.6,-258.17 cw(c-189.83,-258.17) v1@-205.93,-242.07
LCD_COM3: U1.19 U3.24 | length 2484.2
  Top Layer w8: v1(-283,-235) -223,-175 369.73,-175 476.73,-68 662,-68 680,-50 680,-15.13 U3.24@680,195 ; v1@-283,-225 ccw(c-283,-200.86) -265.93,-217.93 ccw(c-248.86,-235) v1@-273,-235
  Bottom Layer w8: U1.19@-294.56,-1288.12 ccw(c-321.33,-1261.35) -283.46,-1261.35 ccw(c-245.6,-1261.35) U1.19@-272.37,-1288.12 ; v1@-290.07,-242.07 cw(c-306.02,-258.02) -283.46,-258.02 ; U1.19@-283.46,-1299.21 v1@-283.46,-235 ; -283.46,-260.26 cw(c-257.74,-260.26) v1@-275.93,-242.07
LCD_CS: R52.1 U2.11 U3.9 | length 2309.9
  Top Layer w8: v1@-282,497 -232,497 -193,458 138,458 ; v1@-275.93,489.93 cw(c-258.86,472.86) -258.86,497 cw(c-258.86,521.14) v1@-275.93,504.07
  Top Layer w10: 138,458 170,426 416,426 471,481 1040,481 1055,466 U3.9@1055,195
  Top Layer w12: v1@-288.66,150.34 cw(c-302.31,136.69) -283,136.69 cw(c-263.69,136.69) v1@-277.34,150.34 ; -283,129.77 ccw(c-266.39,129.77) U2.11@-278.14,118.02 ; v1(-283,156) -283,121.47 U2.11@-278.84,117.32
  Top Layer w15: R52.1@-289.07,452.07 ccw(c-306.14,469.14) -282,469.14 ccw(c-257.86,469.14) R52.1@-274.93,452.07 ; v1@-287.6,492.4 cw(c-301.11,478.89) -282,478.89 ; R52.1@-282,445 v1@-282,497
  Bottom Layer w8: v1@-290.07,163.07 ccw(c-307.14,180.14) -283,180.14 ccw(c-258.86,180.14) v1@-275.93,163.07 ; v1@-290.07,489.93 cw(c-307.14,472.86) -283,472.86 cw(c-258.86,472.86) v1@-275.93,489.93 ; v1(-283,156) v1(-283,497)
LCD_DATA: U2.6 U3.12 | length 2062.8
  Top Layer w10: v1(-164,28) -133,28 -119.95,14.95 U2.6@-19,14.95 ; v1(-164,389) 429.91,389 485.91,445 945,445 980,410 U3.12@980,195 ; v1@-157.64,21.64 cw(c-142.27,6.27) -142.27,28 cw(c-142.27,49.73) v1@-157.64,34.36 ; v1@-157.64,382.64 cw(c-142.27,367.27) -142.27,389 cw(c-142.27,410.73) v1@-157.64,395.36
  Bottom Layer w10: v1@-173,28 ccw(c-194.73,28) -179.36,43.36 ccw(c-164,58.73) v1@-164,37 ; v1@-173,389 cw(c-194.73,389) -179.36,373.64 cw(c-164,358.27) v1@-164,380 ; v1(-164,28) -186,50 -186,367 v1(-164,389)
LCD_S0: U1.1 U3.8 | length 2025.4
  Top Layer w8: v1(318.9,473.1) 360.1,473.1 385,498 1062.12,498 1080,480.12 U3.8@1080,195 ; v1@325.97,466.03 cw(c343.04,448.96) 343.04,473.1 cw(c343.04,497.24) v1@325.97,480.17
  Bottom Layer w8: U1.1@307.81,1288.12 cw(c281.03,1261.35) 318.9,1261.35 cw(c356.76,1261.35) U1.1@329.99,1288.12 ; v1@311.83,480.17 ccw(c294.76,497.24) 318.9,497.24 ccw(c343.04,497.24) v1@325.97,480.17 ; v1(318.9,473.1) U1.1@318.9,1299.21
LCD_S1: U1.2 U3.7 | length 2106.3
  Top Layer w8: v1(248.03,492.03) 282.03,492.03 304,514 1068.75,514 1105,477.75 U3.7@1105,195 ; v1@255.1,484.96 cw(c272.17,467.89) 272.17,492.03 cw(c272.17,516.17) v1@255.1,499.1
  Bottom Layer w8: U1.2@236.94,1288.12 cw(c210.16,1261.35) 248.03,1261.35 cw(c285.9,1261.35) U1.2@259.12,1288.12 ; v1@240.96,499.1 ccw(c223.89,516.17) 248.03,516.17 ccw(c272.17,516.17) v1@255.1,499.1 ; v1(248.03,492.03) U1.2@248.03,1299.21
LCD_S2: U1.3 U3.6 | length 2195.5
  Top Layer w8: v1(177.17,505.17) 205.17,505.17 230,530 1075.37,530 1130,475.37 U3.6@1130,195 ; v1@184.24,498.09 cw(c201.31,481.02) 201.31,505.17 cw(c201.31,529.31) v1@184.24,512.24
  Bottom Layer w8: U1.3@166.07,1288.12 cw(c139.3,1261.35) 177.17,1261.35 cw(c215.03,1261.35) U1.3@188.26,1288.12 ; v1@170.09,512.24 ccw(c153.02,529.31) 177.17,529.31 ccw(c201.31,529.31) v1@184.24,512.24 ; v1(177.17,505.17) U1.3@177.17,1299.21
LCD_S3: U1.4 U3.5 | length 2276.2
  Top Layer w8: v1(106.3,524.3) 142.3,524.3 164,546 1082,546 1155,473 U3.5@1155,195 ; v1@113.37,517.23 cw(c130.44,500.16) 130.44,524.3 cw(c130.44,548.44) v1@113.37,531.37
  Bottom Layer w8: U1.4@95.21,1288.12 cw(c68.43,1261.35) 106.3,1261.35 cw(c144.17,1261.35) U1.4@117.39,1288.12 ; v1@99.23,531.37 ccw(c82.16,548.44) 106.3,548.44 ccw(c130.44,548.44) v1@113.37,531.37 ; v1(106.3,524.3) U1.4@106.3,1299.21
LCD_S4: U1.5 U3.4 | length 2403.3
  Top Layer w8: v1(35.43,535.43) 65.43,535.43 92,562 1092.75,562 1180,474.75 U3.4@1180,195 ; v1@42.5,528.36 cw(c59.58,511.29) 59.58,535.43 cw(c59.58,559.58) v1@42.5,542.5
  Bottom Layer w8: U1.5@24.34,1288.12 cw(c-2.43,1261.35) 35.43,1261.35 cw(c73.3,1261.35) U1.5@46.52,1288.12 ; v1@28.36,542.5 ccw(c11.29,559.58) 35.43,559.58 ccw(c59.58,559.58) v1@42.5,542.5 ; v1(35.43,535.43) 35.43,625 75,664.57 75,1209 35.43,1248.57 U1.5@35.43,1299.21
LCD_S5: U1.6 U3.3 | length 2493.5
  Top Layer w8: v1(-35,550) -2,550 26,578 1099.37,578 1205,472.37 U3.3@1205,195 ; v1@-27.93,542.93 cw(c-10.86,525.86) -10.86,550 cw(c-10.86,574.14) v1@-27.93,557.07
  Bottom Layer w8: U1.6@-46.52,1288.12 cw(c-73.3,1261.35) -35.43,1261.35 cw(c2.43,1261.35) U1.6@-24.34,1288.12 ; v1@-42.07,557.07 ccw(c-59.14,574.14) -35,574.14 ccw(c-10.86,574.14) v1@-27.93,557.07 ; U1.6@-35.43,1299.21 -35.43,1247.87 -79,1204.3 -79,674 -35,630 v1(-35,550)
LCD_S6: U1.7 U3.2 | length 2531.9
  Top Layer w8: v1(-106.3,573.7) -70.3,573.7 -50,594 1106,594 1230,470 U3.2@1230,195 ; v1@-99.23,566.63 cw(c-82.16,549.56) -82.16,573.7 cw(c-82.16,597.84) v1@-99.23,580.77
  Bottom Layer w8: U1.7@-117.39,1288.12 cw(c-144.17,1261.35) -106.3,1261.35 cw(c-68.43,1261.35) U1.7@-95.21,1288.12 ; v1@-113.37,580.77 ccw(c-130.44,597.84) -106.3,597.84 ccw(c-82.16,597.84) v1@-99.23,580.77 ; v1(-106.3,573.7) U1.7@-106.3,1299.21